# Altium PCB X98_CARRIER_V1R2_12082022.PcbDoc (part 2 of 10) (continued)
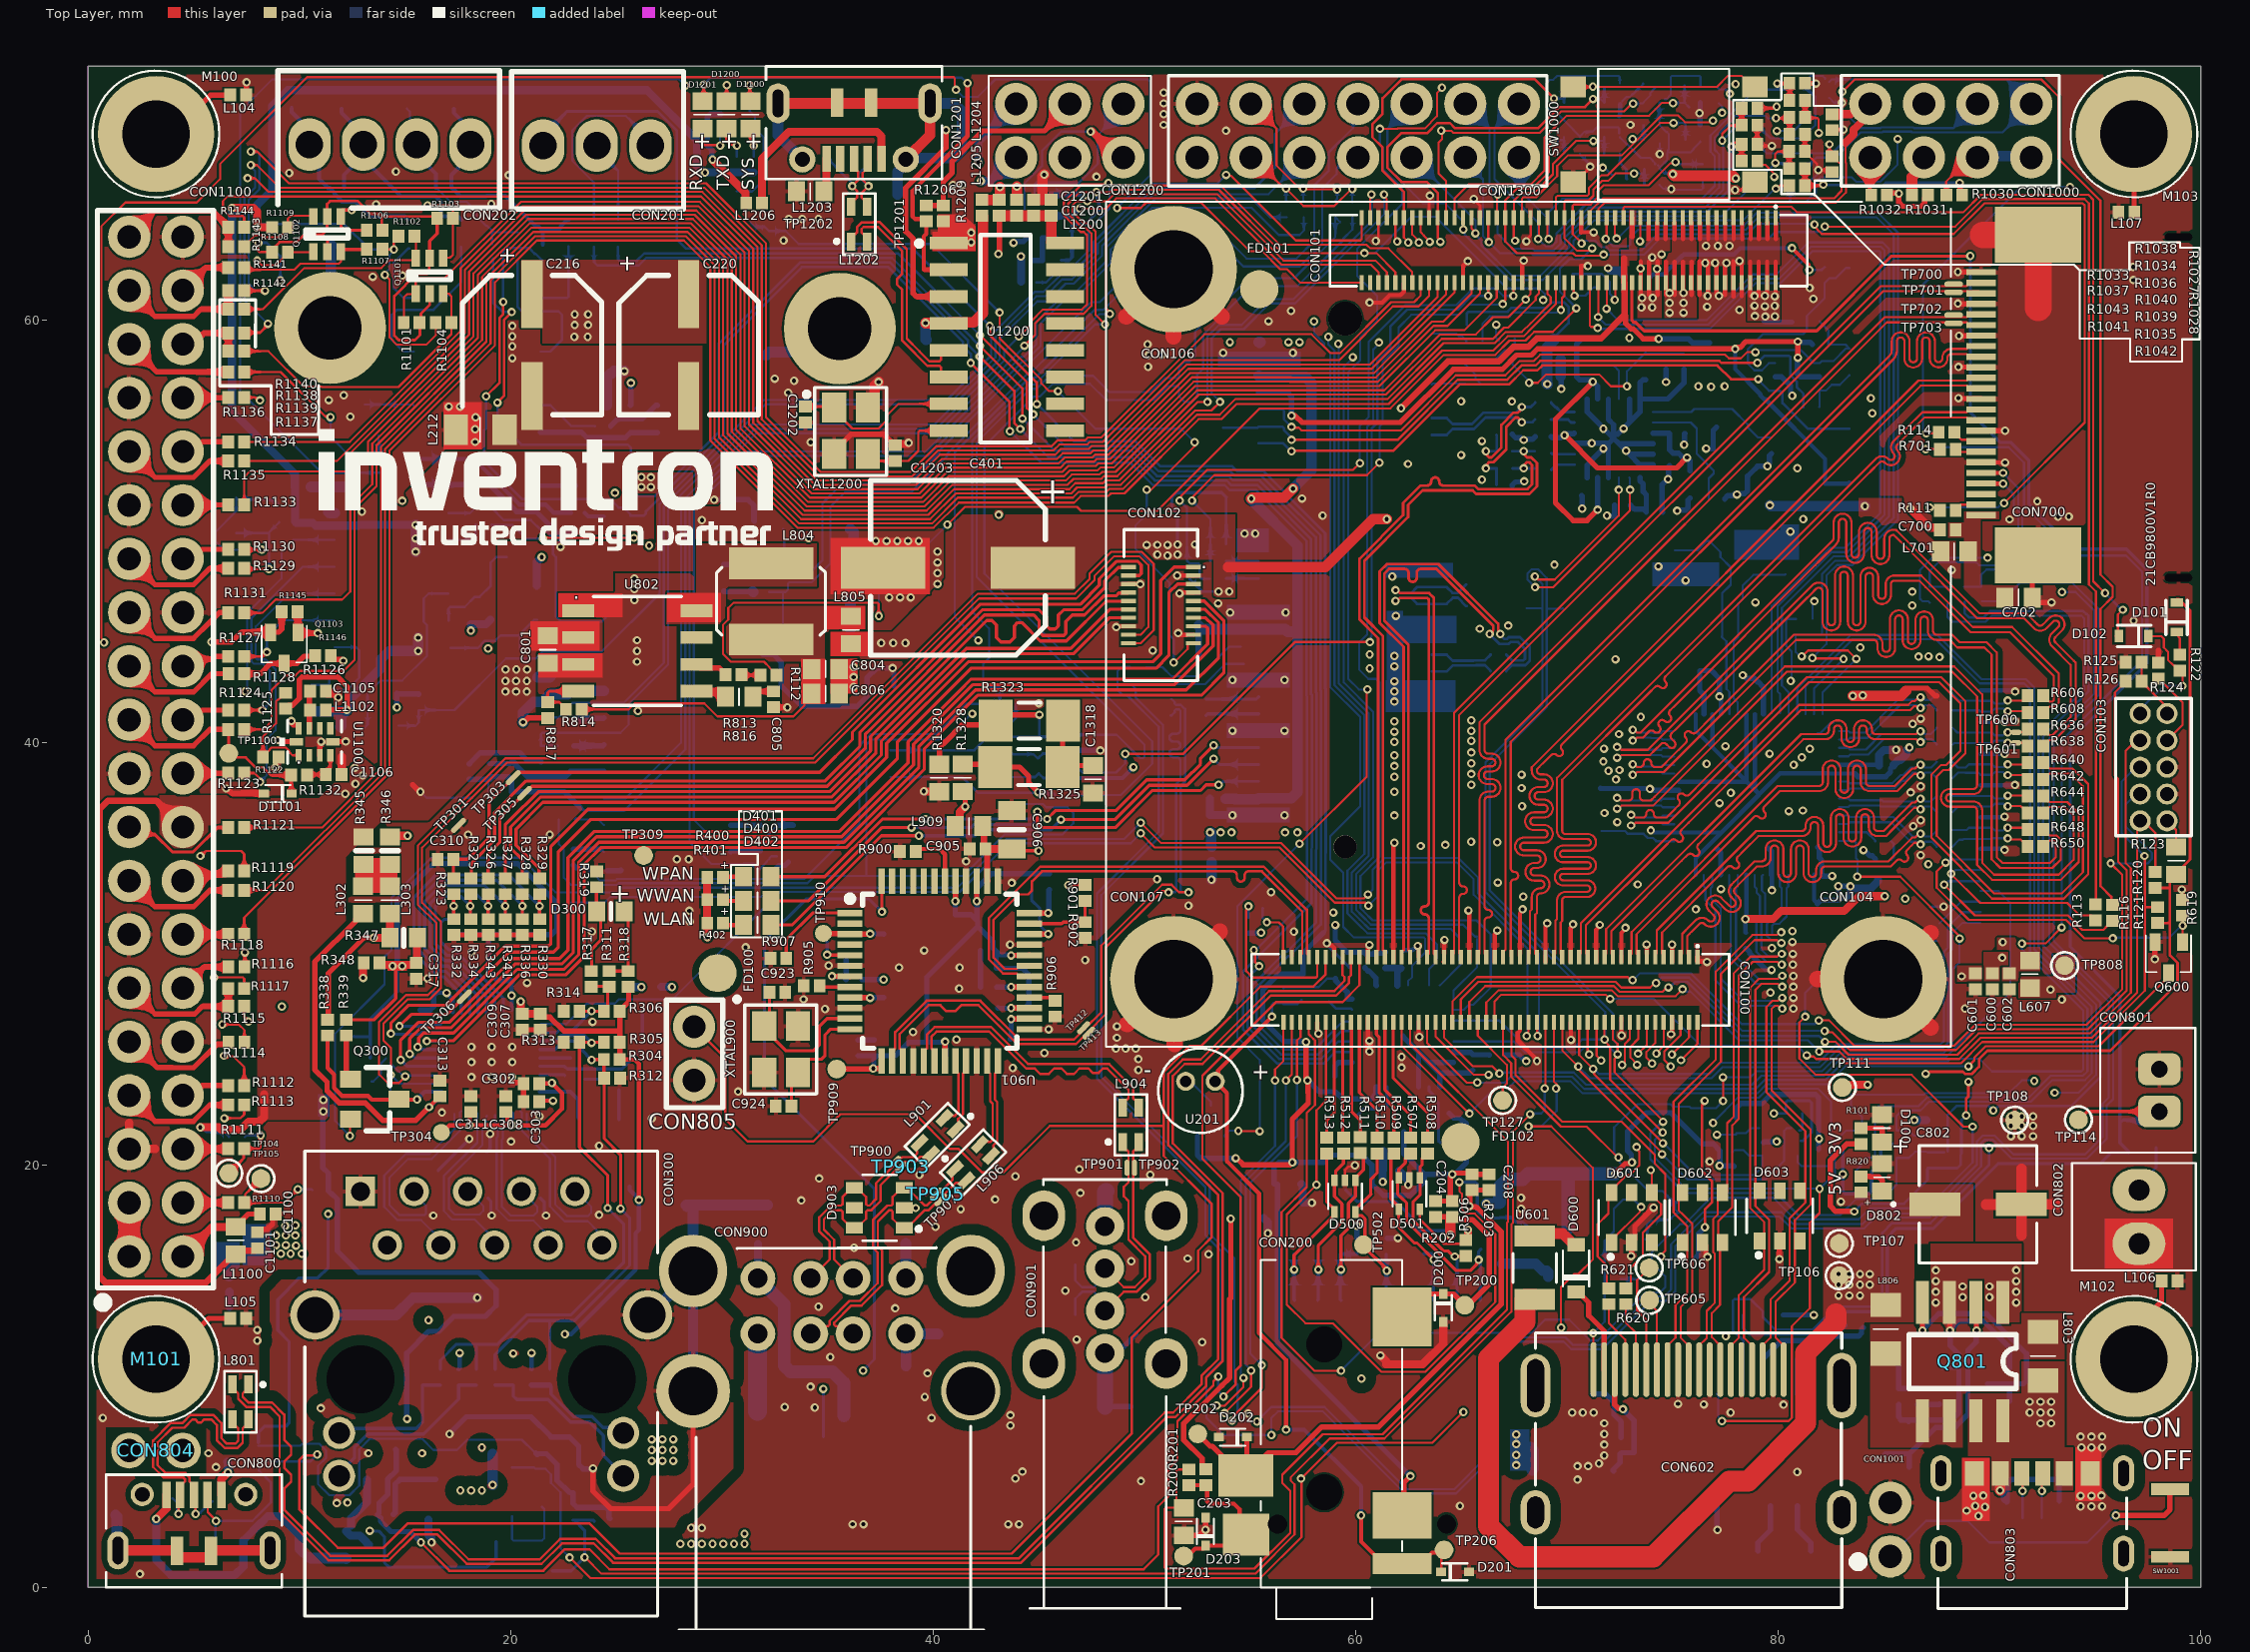
[diagram p0: Top Layer view]
## Components (designator, comment, footprint, x,y, rotation, side; value= is the part's Value field where it differs from the comment) (continued)
U1100 "ADC 12BIT SIGMA-DELTA" IC-TLA2022IRUGR 10.96,40.145 r90 top locked
U1101 "RTC CLOCK" PCF85063AT/AY 78.999,6.516 r180 bottom
U1200 "CH340G" CH340G 43.484,59.865 r0 top locked
U1300 "MCP2518FDT" SOIC-14 14.351,47.045 r270 bottom
U1301 "IC-MCP2562T-E/SN" 8-SOIC/FAN3229 27.282,47.794 r0 bottom
U1302 "IC-ST3232CDR" SO-16 27.412,39.258 r270 bottom locked
U1303 "ST485" 8-SOIC/FAN3229 40.782,38.994 r180 bottom
X300 "25MHZ" XTLOSC4_3P2X2P5MM_SM#1 25.654,24.765 r90 bottom
XTAL400 "XTAL-TSX-3225 25.0000MF10P-C0" XTLOSC4_3P2X2P5MM_SM#2 77.888,53.833 r270 bottom
XTAL600 "XTAL-TSX-3225 25.0000MF10P-C0" XTLOSC4_3P2X2P5MM_SM#2 77.723,48.727 r0 bottom
XTAL900 "CRYSTAL 12.MHZ 18PF SMD" XTLOSC4_3P2X2P5MM_SM#2 32.791,25.476 r270 top
XTAL1100 "32.7680KHZ 7PF" "FC-135 32.768KA-AG0" 80.137,1.753 r0 bottom
XTAL1200 "CRYSTAL 12.MHZ 18PF SMD" XTLOSC4_3P2X2P5MM_SM#2 36.106,54.754 r270 top locked
XTAL1300 "CRYSTAL 20.MHZ 10PF SMD" XTLOSC4_3P2X2P5MM_SM#2 20.139,46.606 r180 bottom

## Footprints (in the part's own frame and the unit in brackets; to place one, negate y for a bottom-side part, rotate by r counter-clockwise, add the part's x,y. Pads: shape width x height; smd on the part's side, far side on the other; paste and mask are expansions set on the pad)
0ZCJ0025AF2E [mil] "PTC RESET FUSE 24V 250MA 1206"
  rect 39x75 smd paste+0 mask+1.97: 1(0,0) 2(118,0)
  silkscreen extent 32,-40 86,41, body extent -7,-36 127,36, height 63
"3.00mm x 2.00mm SWITCH" [mm]
  rect 0.55x1.8 smd: 1(-1.6,0) 2(1.6,0)
  body extent -1.75,-1 1.75,1.08, height 0.55
8-SOIC/FAN3229 [mm]
  rect 1.75x0.65 smd: 1(-2.8,1.905) 2(-2.8,0.635) 3(-2.8,-0.635) 4(-2.8,-1.905) 5(2.8,-1.905) 6(2.8,-0.635) 7(2.8,0.635) 8(2.8,1.905)
  silkscreen extent -1.6,-2.22 1.63,2.28, body extent -3,-2.44 3,2.45, height 1.75
9FGV0241AKLF [mm] "9FGV0241AKLF"
  rect 0.6x0.3 smd mask+0.05: 1(-1.86,1.249) 2(-1.86,0.749) 3(-1.86,0.249) 4(-1.86,-0.251) 5(-1.86,-0.751) 6(-1.86,-1.251) 13(1.86,-1.25) 14(1.86,-0.75) 15(1.86,-0.25) 16(1.86,0.25) 17(1.86,0.75) 18(1.86,1.25)
  rect 0.3x0.6 smd mask+0.05: 7(-1.251,-1.86) 8(-0.751,-1.86) 9(-0.251,-1.86) 10(0.249,-1.86) 11(0.749,-1.86) 12(1.249,-1.86) 19(1.249,1.861) 20(0.749,1.861) 21(0.249,1.861) 22(-0.251,1.861) 23(-0.751,1.861) 24(-1.251,1.861)
  rect 2.55x2.55 smd paste-2.55: 25(0,-0.001)
  silkscreen extent -2.18,-2.18 2.18,2.18
"24-PIN FPC" [mm] "FPC/FFC 0.5MM SMT"
  rect 2.65x4.1 smd mask+0.051: 0(-7.532,2.075) 0(7.659,2.075)
  rect 0.3x1.4 smd mask+0.051: 1(-5.75,-0.624) 2(-5.25,-0.624) 3(-4.75,-0.624) 4(-4.25,-0.624) 5(-3.75,-0.624) 6(-3.25,-0.624) 7(-2.75,-0.624) 8(-2.25,-0.624) 9(-1.75,-0.624) 10(-1.25,-0.624) 11(-0.75,-0.624) 12(-0.25,-0.624) 13(0.25,-0.624) 14(0.75,-0.624) 15(1.25,-0.624) 16(1.75,-0.624) 17(2.25,-0.624) 18(2.75,-0.624) 19(3.25,-0.624) 20(3.75,-0.624) 21(4.25,-0.624) 22(4.75,-0.624) 23(5.25,-0.624) 24(5.75,-0.624)
  body extent -8.75,-1.26 8.75,4.14, height 2.02
115Q-BCA0 [mm]
  rect 1.15x2.35 smd mask+0.051: 0(-0.394,11.875)
  rect 0.6x2 smd mask+0.051: 0(-0.023,3.226) 0(16.178,3.226)
  round 0 hole 0.35 slot 1.3 at 90 deg: 0(0,0) 0(16.129,0)
  rect 1.15x2.5 smd mask+0.051: 0(16.548,14.186)
  rect 1x1.3 smd mask+0.051: 1(11.627,15.583) 2(9.087,15.583) 3(6.547,15.583) 4(4.007,15.583) 5(10.357,15.583) 6(7.817,15.583) 7(5.277,15.583) 8(2.737,15.583) 9(1.467,15.583)
  silkscreen extent 0.21,-1.45 15.67,16.3, body extent -0.59,-1.44 16.7,16.63, height 1.83
0402_CC#1 [mil]
  rect 22x24 smd mask+2: 1(-14.54,-0.81) 2(14.98,-0.81)
  body extent -20,-10 20,10, height 21
0402_CC#2 [mil]
  rect 22x24 smd mask+2: 1(-14.76,0) 2(14.76,0)
  body extent -20,-10 20,10, height 21
0402_CC#3 [mil]
  rect 22x24 smd mask+2: 1(-14.54,0.81) 2(14.98,0.81)
  body extent -20,-10 20,10, height 21
0402_RES#1 [mil]
  rect 22x24 smd mask+2: 1(-14.54,-0.81) 2(14.98,-0.81)
  body extent -19,-11 20,9, height 14
0402_RES#2 [mil]
  rect 22x24 smd mask+2: 1(-14.76,0) 2(14.76,0)
  body extent -20,-10 20,10, height 14
0402_RES#3 [mil]
  rect 22x24 smd mask+2: 1(-14.54,0.81) 2(14.98,0.81)
  body extent -19,-9 20,11, height 14
0603_CC [mil]
  rect 32x37 smd: 1(-25.9,0.1) 2(25.28,0.1)
  silkscreen extent 0,-15 0,16, body extent -39,-15 39,16, height 31
0603_LED#1 [mil]
  rect 32x37 smd: 1(-25.9,0.1) 2(25.28,0.1)
  silkscreen extent 0,-15 0,16, body extent -33,-18 33,18, height 35
0603_LED#2 [mil]
  rect 32x37 smd mask+2: 1(-25.9,0.1) 2(25.28,0.1)
  silkscreen extent -1,-15 -1,16, body extent -33,-18 33,18, height 35
0603_RES#1 [mil]
  rect 32x37 smd: 1(-25.9,0.1) 2(25.28,0.1)
  silkscreen extent 0,-15 0,16, body extent -31,-16 32,16, height 18
0603_RES#2 [mil]
  rect 32x37 smd: 1(-25.9,-0.1) 2(25.28,-0.1)
  silkscreen extent 0,-16 0,15, body extent -31,-16 32,16, height 18
0603_RES#3 [mil]
  rect 32x37 smd mask+2: 1(-25.59,0) 2(25.59,0)
  silkscreen extent 0,-15 0,16, body extent -31,-16 32,16, height 18
0805#1 [mm] "Chip 0805, 2-Leads, Body 2.0 x 1.25mm"
  rect 0.9x1.3 smd mask+0.051: 1(-0.9,0) 2(0.9,0)
  silkscreen extent 0,-0.58 0,0.58, body extent -1,-0.62 1,0.63, height 0.6
0805#2 [mm] "Chip 0805, 2-Leads, Body 2.0 x 1.25mm"
  rect 1.15x1.45 smd mask+0.025: 1(-1.15,0) 2(1.15,0)
  silkscreen extent 0,-0.58 0,0.58, body extent -1.25,-0.62 1.25,0.62, height 0.79
1206 [mm] "Chip 1206, 2-Leads, Body 3.2 x 1.6mm"
  rect 1.6x2 smd mask+0.025: 1(-1.6,0) 2(1.6,0)
  silkscreen extent -0.5,-0.85 0.5,0.85, body extent -2,-0.8 2,0.8, height 1.53
1812 [mil] "Chip 1812, 2-Leads, Body 4.2 x 2.5mm"
  rect 60x141.73 smd: 1(-92.5,0) 2(92.5,0)
  silkscreen extent -142,-85 142,85, body extent -94,-69 92,68
2016 [mm]
  rect 0.8x1.8 smd mask+0.051: 1(-0.8,0) 2(0.8,0)
  silkscreen extent -0.2,-0.76 0.2,0.76, body extent -1,-0.8 1,0.8, height 1.04
640456-2 [mm]
  oval 2x2.5 hole 1: 1(0,0) 2(2.54,0)
  silkscreen extent -1.27,-2.69 3.81,3.18, body extent -1.3,-2.69 3.78,3.15, height 9.99
9774030151R#1 [mm]
  round 6 / inner round 6 / far side round 4 hole 3.7 mask+0: 0(0,0)
  body extent -2.55,-2.55 2.55,2.55, height 3
9774030151R#2 [mm]
  round 6 / inner round 6 / far side round 3.8 hole 3.7 mask+0: 0(0,0)
  body extent -2.55,-2.55 2.55,2.55, height 3
9774030151R#3 [mm]
  round 6 / inner round 6 / far side oval 5x4.7 hole 3.7 mask+0: 0(0,0)
  body extent -2.55,-2.55 2.55,2.55, height 3
9774045243R [mm]
  round 5.3 hole 3 mask+0: 1(0,0)
  body extent -2.17,-2.17 2.17,2.17, height 4.5
B2B-PH-K-S [mm] "2MM 2POS VERT JST"
  rrect50% 1.5x2 hole 0.8 mask+0.051: 1(0,0) 2(2,0)
  silkscreen extent -1.95,-1.7 3.95,2.8, body extent -1.92,-1.68 3.98,2.82, height 6.2
"BUTTON 6X6" [mm]
  rect 1.2x1 smd mask+0.051: 1(0,0) 2(8.6,0) 3(0,-4.5) 4(8.6,-4.5)
  silkscreen extent 1.22,-5.35 7.42,0.85, body extent -0.18,-5.27 8.82,0.73, height 4.3
"CAP ALUM 6.6X6.6X5.4" [mm]
  rect 3.2x1 smd: 1(2.413,0) 2(-2.413,0)
  silkscreen extent -3.3,-3.3 3.3,3.3, body extent -3.62,-3.3 3.68,3.3, height 5.9
"CAP-8.3mm x 8.3mm" [mm]
  rect 4x2 smd: 1(3.55,0) 2(-3.55,0)
  silkscreen extent -4.14,-4.14 4.14,4.14, body extent -5,-4.14 4.9,4.16, height 10.2
CH340G [mm]
  rect 1.8x0.6 smd: 1(-2.752,3.779) 2(-2.752,2.509) 3(-2.752,1.239) 4(-2.752,-0.031) 5(-2.752,-1.301) 6(-2.752,-2.571) 7(-2.752,-3.841) 8(-2.752,-5.111) 9(2.748,-5.111) 10(2.748,-3.841) 11(2.748,-2.571) 12(2.748,-1.301) 13(2.748,-0.031) 14(2.748,1.239) 15(2.748,2.509) 16(2.748,3.779)
  silkscreen extent -4.28,-5.67 1.12,4.15, body extent -2.3,-5.62 2.17,4.28, height 1.75
"CMEJ-0415-42-P CON" [mm] "CMEJ-0415-42-P"
  round 0.9 hole 0.55: N(0.446,-0.069) P(-0.954,-0.069)
  silkscreen extent -2.25,-1.62 1.74,2.38, body extent -2.25,-1.65 1.75,2.35, height 1.76
CON-DS1095-01 [mm]
  round 1.8 hole 0.92: 1(0,0) 2(2,0) 3(4,0) 4(6,0)
  oval 2.4x2 hole 1.35: G1(-0.5,-2.9) G2(6.5,-2.9) G3(6.5,2.9) G4(-0.5,2.9)
  silkscreen extent -12.09,-3.56 8.21,3.56, body extent -12.06,-3.68 7.14,3.51, height 14.96
CON-L-KLS1-285-1-N-1 [mm]
  oval 0.28x2.6 smd: 1(11.75,0.759) 2(11.25,0.759) 3(10.75,0.759) 4(10.25,0.759) 5(9.75,0.759) 6(9.25,0.759) 7(8.75,0.759) 8(8.25,0.759) 9(7.75,0.759) 10(7.25,0.759) 11(6.75,0.759) 12(6.25,0.759) 13(5.75,0.759) 14(5.25,0.759) 15(4.75,0.759) 16(4.25,0.759) 17(3.75,0.759) 18(3.25,0.759) 19(2.75,0.759)
  oval 1.4x3 hole 0.8 slot 2.5 at 90 deg: G1(0,0)
  oval 1.4x2.1 hole 0.8 slot 1.5 at 90 deg: G2(0,-6) G3(14.5,-6)
  oval 1.4x3.1 hole 0.8 slot 2.5 at 90 deg: G4(14.5,0)
  silkscreen extent 0,-10.5 14.5,2.5, body extent -0.24,-10.47 14.76,1.68, height 6.28
CON-SFV30R-2STBE1HLF [mm]
  rect 2.5x4.1 smd mask+0.051: 0(-2.136,-2.66) 0(16.636,-2.66)
  rect 0.3x1.4 smd mask+0.05: 1(-0.003,-0.001) 2(0.5,0) 3(1,0) 4(1.5,0) 5(2,0) 6(2.5,0) 7(3,0) 8(3.5,0) 9(4,0) 10(4.5,0) 11(5,0) 12(5.5,0) 13(6,0) 14(6.5,0) 15(7,0) 16(7.5,0) 17(8,0) 18(8.5,0) 19(9,0) 20(9.5,0) 21(10,0) 22(10.5,0) 23(11,0) 24(11.5,0) 25(12,0) 26(12.5,0) 27(13,0) 28(13.5,0) 29(14,0) 30(14.5,0)
  silkscreen extent -3.5,-6.78 17.98,-5, body extent -3,-4.45 17.5,0.45, height 1.92
CUI_UJC-HP-3-SMT-TR [mm]
  rect 0.7x1.15 smd: A5(-0.5,1.903) B5(0.5,1.903)
  rect 0.8x1.15 smd: A9(1.52,1.903) B9(-1.52,1.903)
  rect 0.9x1.15 smd: A12(2.75,1.903) B12(-2.75,1.903)
  oval 1x1.7 hole 0.5 slot 1.2 at 90 deg mask+0.051: S1(-4.32,1.903) S2(4.32,1.903) S3(-4.32,-1.903) S4(4.32,-1.897)
  silkscreen extent -4.47,-4.5 4.47,0.73, body extent -4.47,-4.32 4.47,2.58, height 3.25
DF5A6.2LJE,LM [mm]
  rect 0.55x0.3 smd mask+0.051: 1(-0.75,0.5) 2(-0.75,0) 3(-0.75,-0.5) 4(0.75,-0.5) 5(0.75,0.5)
  silkscreen extent -0.6,-0.8 0.6,0.8, body extent -0.8,-0.79 0.8,0.81, height 0.45
DF40C-20DS-0.4V(51) [mil]
  rect 28x8 smd mask+2: 1(-60.63,-70.87) 2(60.63,-70.87) 3(-60.63,-55.12) 4(60.63,-55.12) 5(-60.63,-39.37) 6(60.63,-39.37) 7(-60.63,-23.62) 8(60.63,-23.62) 9(-60.63,-7.87) 10(60.63,-7.87) 11(-60.63,7.87) 12(60.63,7.87) 13(-60.63,23.62) 14(60.63,23.62) 15(-60.63,39.37) 16(60.63,39.37) 17(-60.63,55.12) 18(60.63,55.12) 19(-60.63,70.87) 20(60.63,70.87)
  silkscreen extent -69,-141 69,141, body extent -69,-130 64,130, height 56
"DF40C-100DS- FEMALE" [mm]
  rect 0.2x0.7 smd mask+0.025: 1(-9.8,-1.54) 2(-9.8,1.54) 3(-9.4,-1.54) 4(-9.4,1.54) 5(-9,-1.54) 6(-9,1.54) 7(-8.6,-1.54) 8(-8.6,1.54) 9(-8.2,-1.54) 10(-8.2,1.54) 11(-7.8,-1.54) 12(-7.8,1.54) 13(-7.4,-1.54) 14(-7.4,1.54) 15(-7,-1.54) 16(-7,1.54) 17(-6.6,-1.54) 18(-6.6,1.54) 19(-6.2,-1.54) 20(-6.2,1.54) 21(-5.8,-1.54) 22(-5.8,1.54) 23(-5.4,-1.54) 24(-5.4,1.54) 25(-5,-1.54) 26(-5,1.54) 27(-4.6,-1.54) 28(-4.6,1.54) 29(-4.2,-1.54) 30(-4.2,1.54) 31(-3.8,-1.54) 32(-3.8,1.54) 33(-3.4,-1.54) 34(-3.4,1.54) 35(-3,-1.54) 36(-3,1.54) 37(-2.6,-1.54) 38(-2.6,1.54) 39(-2.2,-1.54) 40(-2.2,1.54) 41(-1.8,-1.54) 42(-1.8,1.54) 43(-1.4,-1.54) 44(-1.4,1.54) 45(-1,-1.54) 46(-1,1.54) 47(-0.6,-1.54) 48(-0.6,1.54) 49(-0.2,-1.54) 50(-0.2,1.54) 51(0.2,-1.54) 52(0.2,1.54) 53(0.6,-1.54) 54(0.6,1.54) 55(1,-1.54) 56(1,1.54) 57(1.4,-1.54) 58(1.4,1.54) 59(1.8,-1.54) 60(1.8,1.54) 61(2.2,-1.54) 62(2.2,1.54) 63(2.6,-1.54) 64(2.6,1.54) 65(3,-1.54) 66(3,1.54) 67(3.4,-1.54) 68(3.4,1.54) 69(3.8,-1.54) 70(3.8,1.54) 71(4.2,-1.54) 72(4.2,1.54) 73(4.6,-1.54) 74(4.6,1.54) 75(5,-1.54) 76(5,1.54) 77(5.4,-1.54) 78(5.4,1.54) 79(5.8,-1.54) 80(5.8,1.54) 81(6.2,-1.54) 82(6.2,1.54) 83(6.6,-1.54) 84(6.6,1.54) 85(7,-1.54) 86(7,1.54) 87(7.4,-1.54) 88(7.4,1.54) 89(7.8,-1.54) 90(7.8,1.54) 91(8.2,-1.54) 92(8.2,1.54) 93(8.6,-1.54) 94(8.6,1.54) 95(9,-1.54) 96(9,1.54) 97(9.4,-1.54) 98(9.4,1.54) 99(9.8,-1.54) 100(9.8,1.54)
  Top Layer pour cut-out: -9.906,1.194 -9.906,1.193 -9.906,0.75 9.906,0.75 9.906,0.75 9.906,1.194
  Top Layer pour cut-out: 9.906,-1.194 9.906,-1.193 9.906,-0.75 -9.906,-0.75 -9.906,-0.75 -9.906,-1.194
  silkscreen extent -11.3,-2.11 11.3,1.7, body extent -11.3,-1.68 11.3,1.7, height 1.44
DIODE-DT1042-04SOQ-7 [mm]
  rrect0% 0.55x0.8 smd mask+0.05: 1(-1.143,-1.143) 2(-0.193,-1.143) 3(0.757,-1.143) 4(0.757,1.227) 5(-0.193,1.227) 6(-1.143,1.227)
  silkscreen extent -1.76,-1.92 1.37,0.84, body extent -1.74,-1.11 1.36,1.39, height 1.3
DLW21H [mm]
  rect 0.85x0.4 smd: 1(-0.826,0.381) 2(0.826,0.381) 3(0.826,-0.381) 4(-0.826,-0.381)
  silkscreen extent -1.45,-0.76 1.45,1.12, body extent -1.27,-0.76 1.27,0.76, height 1
"FC-135 32.768KA-AG0" [mm] "CRYSTAL 32.7680KHZ 7PF SMD"
  rect 1x1.8 smd mask+0.05: 1(-1.25,0) 2(1.25,0)
  silkscreen extent -1.9,-1.02 1.91,1.02
FD [mm] "Fiducial Diameter 20 mil"
  round 1.8 smd paste-1.8 mask+0: FD-1(0,0)
  Top Layer pour cut-out: 0,1.194 -0.457,1.103 -0.844,0.844 -1.103,0.457 -1.194,0 -1.194,0 -1.103,-0.457 -0.844,-0.844 -0.457,-1.103 0,-1.194 0,-1.194 0.457,-1.103 0.844,-0.844 1.103,-0.457 1.194,0 1.194,0 1.103,0.457 0.844,0.844 0.457,1.103 0,1.194
"HEADER 1X2 2.54mm" [mm]
  round 2 hole 1.1: 1(-2.54,0) 2(0,0)
  silkscreen extent -2.99,1.32 -2.59,1.72, body extent -3.78,-1.27 1.3,1.27, height 2.04
"HEADER 2 PIN 2.54"#1 [mm]
  round 1.7 hole 1.1: 1(-1.245,0) 2(1.295,0)
"HEADER 2 PIN 2.54"#2 [mm]
  round 2 hole 1.1: 1(-1.245,0) 2(1.295,0)
  silkscreen extent -2.5,-1.31 2.59,1.35, body extent -2.49,-1.27 2.59,1.27, height 2.04
"HEADER 2.54 2X7" [mm]
  round 2 hole 1.1: 1(0,-2.54) 2(0,0) 3(2.54,-2.54) 4(2.54,0) 5(5.08,-2.54) 6(5.08,0) 7(7.62,-2.54) 8(7.62,0) 9(10.16,-2.54) 10(10.16,0) 11(12.7,-2.54) 12(12.7,0) 13(15.24,-2.54) 14(15.24,0)
  silkscreen extent -1.33,-3.87 16.59,1.35, body extent -1.24,-3.81 16.51,1.3, height 2.04
"HEADER 2.54 X 3X2" [mm]
  round 2 hole 1.1: 1(0,-2.54) 2(0,0) 3(2.54,-2.54) 4(2.54,0) 5(5.08,-2.54) 6(5.08,0)
  silkscreen extent -1.3,-3.86 6.37,1.33, body extent -1.24,-3.81 6.31,1.27, height 2.04
"HEADER 2.54 X 4X2" [mm]
  round 2 hole 1.1: 1(0,0) 2(0,2.54) 3(2.54,0) 4(2.54,2.54) 5(5.08,0) 6(5.08,2.54) 7(7.62,0) 8(7.62,2.54)
  silkscreen extent -1.33,-1.35 8.99,3.89, body extent -1.24,-1.27 8.92,3.81, height 2.04
"HEADER 2.54MM X 2X20" [mm]
  round 2 hole 1.1: 1(0,0) 2(0,-2.54) 3(2.54,0) 4(2.54,-2.54) 5(5.08,0) 6(5.08,-2.54) 7(7.62,0) 8(7.62,-2.54) 9(10.16,0) 10(10.16,-2.54) 11(12.7,0) 12(12.7,-2.54) 13(15.24,0) 14(15.24,-2.54) 15(17.78,0) 16(17.78,-2.54) 17(20.32,0) 18(20.32,-2.54) 19(22.86,0) 20(22.86,-2.54) 21(25.4,0) 22(25.4,-2.54) 23(27.94,0) 24(27.94,-2.54) 25(30.48,0) 26(30.48,-2.54) 27(33.02,0) 28(33.02,-2.54) 29(35.56,0) 30(35.56,-2.54) 31(38.1,0) 32(38.1,-2.54) 33(40.64,0) 34(40.64,-2.54) 35(43.18,0) 36(43.18,-2.54) 37(45.72,0) 38(45.72,-2.54) 39(48.26,0) 40(48.26,-2.54)
  silkscreen extent -2.38,-4 49.5,1.5, body extent -1.27,-3.82 49.53,1.26, height 2.04
"HEADER 2X5 1.27MM THD" [mm]
  round 1 hole 0.65: 1(0,0) 2(0,-1.27) 3(1.27,0) 4(1.27,-1.27) 5(2.54,0) 6(2.54,-1.27) 7(3.81,0) 8(3.81,-1.27) 9(5.08,0) 10(5.08,-1.27)
  silkscreen extent -0.71,-2.42 5.8,1.16, body extent -0.63,-2.35 5.72,1.1, height 4
HR851178C [mil]
  rect 55x55 / inner round 55 / far side rect 55x55 hole 35: 1(39.57,529.92)
  round 55 hole 35: 2(89.57,429.92) 3(139.57,529.92) 4(189.57,429.92) 5(239.57,529.92) 6(289.57,429.92) 7(339.57,529.92) 8(389.57,429.92) 9(439.57,529.92) 10(489.57,429.92)
  round 60 hole 40: 11(0,79.92) 12(0,0) 13(529.53,79.92) 14(529.53,0)
  round 92 hole 67 mask+3: 15(574.81,300)
  round 92 hole 67: 16(-45.27,300)
  round 10 hole 126 unplated: ""(39.77,179.92) ""(489.77,179.92)
  silkscreen extent -64,-261 594,605, body extent -86,-245 626,607, height 533
IC-LT8912B [mm]
  oval 0.2x1 smd mask+0: 1(3,3.8) 2(2.6,3.8) 3(2.2,3.8) 4(1.8,3.8) 5(1.4,3.8) 6(1,3.8) 7(0.6,3.8) 8(0.2,3.8) 9(-0.2,3.8) 10(-0.6,3.8) 11(-1,3.8) 12(-1.4,3.8) 13(-1.8,3.8) 14(-2.2,3.8) 15(-2.6,3.8) 16(-3,3.8) 33(-3,-3.8) 34(-2.6,-3.8) 35(-2.2,-3.8) 36(-1.8,-3.8) 37(-1.4,-3.8) 38(-1,-3.8) 39(-0.6,-3.8) 40(-0.2,-3.8) 41(0.2,-3.8) 42(0.6,-3.8) 43(1,-3.8) 44(1.4,-3.8) 45(1.8,-3.8) 46(2.2,-3.8) 47(2.6,-3.8) 48(3,-3.8)
  oval 1x0.2 smd mask+0: 17(-3.8,3) 18(-3.8,2.6) 19(-3.8,2.2) 20(-3.8,1.8) 21(-3.8,1.4) 22(-3.8,1) 23(-3.8,0.6) 24(-3.8,0.2) 25(-3.8,-0.2) 26(-3.8,-0.6) 27(-3.8,-1) 28(-3.8,-1.4) 29(-3.8,-1.8) 30(-3.8,-2.2) 31(-3.8,-2.6) 32(-3.8,-3) 49(3.8,-3) 50(3.8,-2.6) 51(3.8,-2.2) 52(3.8,-1.8) 53(3.8,-1.4) 54(3.8,-1) 55(3.8,-0.6) 56(3.8,-0.2) 57(3.8,0.2) 58(3.8,0.6) 59(3.8,1) 60(3.8,1.4) 61(3.8,1.8) 62(3.8,2.2) 63(3.8,2.6) 64(3.8,3)
  rrect5% 6x6 smd paste-6 mask+0: 65(0,0)
  silkscreen extent -3.8,-3.8 3.8,4.36, body extent -3.75,-3.75 3.75,3.75, height 0.8
IC-NCP3170ADR2G [mm]
  rect 1.52x0.6 smd paste+0 mask+0.05: 1(-2.294,1.651) 2(-2.294,0.381) 3(-2.294,-0.889) 4(-2.294,-2.159) 5(3.31,-2.159) 6(3.31,-0.889) 7(3.31,0.381) 8(3.31,1.651)
  silkscreen extent -1.57,-2.83 2.59,2.32, body extent -2.46,-2.7 3.73,2.2, height 1.76
IC-STMPS2151STR(ERDEM) [mm]
  rect 0.6x1.2 smd paste+0 mask+0.05: 1(0.95,0.991) 2(0,0.991) 3(-0.95,0.991) 4(-0.95,-1.309) 5(0.95,-1.309)
  silkscreen extent -1.63,-1.26 1.63,0.75, body extent -1.5,-1.75 1.5,1.24, height 1.45
IC-TLA2022IRUGR [mm]
  rect 0.58x0.3 smd paste-0.15 mask+0: 1(-0.754,1.004) 4(-0.754,-0.496) 6(0.516,-0.496) 9(0.516,1.004)
  rect 0.58x0.25 smd mask+0: 2(-0.754,0.504) 3(-0.754,0.004) 7(0.516,0.004) 8(0.516,0.504)
  rect 0.35x0.63 smd mask+0: 5(-0.119,-0.606) 10(-0.119,1.114)
  silkscreen extent -1.15,-1.02 0.91,1.91, body extent -0.87,-0.75 0.63,1.25, height 0.4
IND-NRS5030T2R2NMGJ [mil]
  rect 59x157 smd paste+0 mask+1.97: 1(-70.87,-5) 2(70.87,-5)
  silkscreen extent -63,-107 63,97, body extent -96,-101 96,91, height 157
KLS1-238-0-0-0-R#1 [mm] "MICRO USB TYPE B"
  rect 0.4x1.25 smd: 1(-1.15,0.025) 2(-1.8,0.025) 3(-2.45,0.025) 4(-3.1,0.025) 5(-3.75,0.025)
  round 1.1 hole 0.7: G1(0,0) G2(-4.9,0)
  rect 0.6x1.35 smd: G3(-1.65,2.675) G4(-3.25,2.675)
  oval 1x1.8 hole 0.5 slot 1.3 at 90 deg: G5(1.15,2.65) G6(-6.05,2.65)
  silkscreen extent -6.62,-0.93 1.72,4.4, body extent -6.8,-0.29 1.85,5.6, height 2.84
KLS1-238-0-0-0-R#2 [mm] "MICRO USB TYPE B"
  rect 0.4x1.25 smd: 1(-1.15,0.025) 2(-1.8,0.025) 3(-2.45,0.025) 4(-3.1,0.025) 5(-3.75,0.025)
  round 1.25 hole 0.7: G1(0,0) G2(-4.9,0)
  rect 0.6x1.35 smd: G3(-1.65,2.675) G4(-3.25,2.675)
  oval 1.1x1.9 hole 0.5 slot 1.3 at 90 deg: G5(1.15,2.65) G6(-6.05,2.65)
  silkscreen extent -6.62,-0.93 1.72,4.4, body extent -6.8,-0.29 1.85,5.6, height 2.84
L-KLS1-TF-003-H1.85-R [mm]
  rect 1.6x1.4 smd mask+0.051: 0(-11.05,9.9) 0(3.8,10)
  rect 1x2.2 smd mask+0.051: 0(-10.8,0.4)
  round 0 hole 0.9: 0(-8,0) 0(0,0)
  rect 1.2x2.2 smd mask+0.051: 0(4.7,0.4)
  rect 0.7x1.4 smd mask+0.051: 1(-0.799,10.6) 2(-1.899,10.6) 3(-2.999,10.6) 4(-4.099,10.6) 5(-5.199,10.6) 6(-6.299,10.6) 7(-7.399,10.6) 8(-8.499,10.6) 9(-9.599,10.6)
  silkscreen extent -11.13,-4.6 5.03,9, body extent -11.05,-4.02 4.95,11.23, height 1.95
LQFP48 [mm]
  rect 0.3x1.2 smd mask+0.051: 1(-2.75,-4.25) 2(-2.25,-4.25) 3(-1.75,-4.25) 4(-1.25,-4.25) 5(-0.75,-4.25) 6(-0.25,-4.25) 7(0.25,-4.25) 8(0.75,-4.25) 9(1.25,-4.25) 10(1.75,-4.25) 11(2.25,-4.25) 12(2.75,-4.25) 25(2.75,4.25) 26(2.25,4.25) 27(1.75,4.25) 28(1.25,4.25) 29(0.75,4.25) 30(0.25,4.25) 31(-0.25,4.25) 32(-0.75,4.25) 33(-1.25,4.25) 34(-1.75,4.25) 35(-2.25,4.25) 36(-2.75,4.25)
  rect 1.2x0.3 smd mask+0.051: 13(4.25,-2.75) 14(4.25,-2.25) 15(4.25,-1.75) 16(4.25,-1.25) 17(4.25,-0.75) 18(4.25,-0.25) 19(4.25,0.25) 20(4.25,0.75) 21(4.25,1.25) 22(4.25,1.75) 23(4.25,2.25) 24(4.25,2.75) 37(-4.25,2.75) 38(-4.25,2.25) 39(-4.25,1.75) 40(-4.25,1.25) 41(-4.25,0.75) 42(-4.25,0.25) 43(-4.25,-0.25) 44(-4.25,-0.75) 45(-4.25,-1.25) 46(-4.25,-1.75) 47(-4.25,-2.25) 48(-4.25,-2.75)
  silkscreen extent -3.65,-4.36 3.65,3.65, body extent -4.5,-4.5 4.5,4.5
M3 [mm]
  round 5.5 hole 3.2 mask+0.051: 0(0,0)
  silkscreen extent -3,-3 3,3
OSTVN03A150 [mm] "OSTVN04A150"
  oval 2x2.5 hole 1.3: 1(0,0) 2(2.54,0) 3(5.08,0)
  silkscreen extent -1.5,-3 6.65,3.5, body extent -1.47,-3.07 6.55,3.43, height 8.5
OSTVN04A150 [mm] "OSTVN04A150"
  oval 2x2.5 hole 1.3: 1(7.62,0) 2(5.08,0) 3(2.54,0) 4(0,0)
  silkscreen extent -1.5,-3 9,3.5, body extent -1.58,-3.1 8.98,3.4, height 8.75
PCF85063AT/AY [mm] "SO8"
  rect 0.6x1.3 smd mask+0.06: 1(-1.905,-2.65) 2(-0.635,-2.65) 3(0.635,-2.65) 4(1.905,-2.65) 5(1.905,2.65) 6(0.635,2.65) 7(-0.635,2.65) 8(-1.905,2.65)
  silkscreen extent -2.75,-3.5 2.75,3.5, body extent -2.5,-3.1 2.5,3.1, height 1.95
"PCIE MINI 52POS (2SCREW)" [mm]
  round 1.6 hole 1.6 mask+0: 0(-0.7,4.1)
  round 1.1 hole 1.1 mask+0: 0(24.3,4.1)
  rect 0.6x2 smd mask+0.051: 1(0,0) 2(0.4,8.2) 3(0.8,0) 4(1.2,8.2) 5(1.6,0) 6(2,8.2) 7(2.4,0) 8(2.8,8.2) 9(3.2,0) 10(3.6,8.2) 11(4,0) 12(4.4,8.2) 13(4.8,0) 14(5.2,8.2) 15(5.6,0) 16(6,8.2) 17(9.6,0) 18(10,8.2) 19(10.4,0) 20(10.8,8.2) 21(11.2,0) 22(11.6,8.2) 23(12,0) 24(12.4,8.2) 25(12.8,0) 26(13.2,8.2) 27(13.6,0) 28(14,8.2) 29(14.4,0) 30(14.8,8.2) 31(15.2,0) 32(15.6,8.2) 33(16,0) 34(16.4,8.2) 35(16.8,0) 36(17.2,8.2) 37(17.6,0) 38(18,8.2) 39(18.4,0) 40(18.8,8.2) 41(19.2,0) 42(19.6,8.2) 43(20,0) 44(20.4,8.2) 45(20.8,0) 46(21.2,8.2) 47(21.6,0) 48(22,8.2) 49(22.4,0) 50(22.8,8.2) 51(23.2,0) 52(23.6,8.2)
  rect 2.3x3.2 smd mask+0.051: M1(-2.85,0.6) M2(26.45,0.6)
  silkscreen extent -3.2,-0.89 26.8,55.05, body extent -3.2,-0.64 26.7,8.61, height 6.85
QFN32 [mm]
  rect 3.45x3.45 smd paste-3.45 mask+0.051: 0(0,0)
  rect 0.3x0.7 smd mask+0.025: 1(-1.75,-2.4) 8(1.75,-2.4) 17(1.75,2.4) 24(-1.75,2.4)
  rect 0.3x0.7 smd mask+0.051: 2(-1.25,-2.4) 3(-0.75,-2.4) 4(-0.25,-2.4) 5(0.25,-2.4) 6(0.75,-2.4) 7(1.25,-2.4) 18(1.25,2.4) 19(0.75,2.4) 20(0.25,2.4) 21(-0.25,2.4) 22(-0.75,2.4) 23(-1.25,2.4)
  rect 0.7x0.3 smd mask+0.025: 9(2.4,-1.75) 16(2.4,1.75) 25(-2.4,1.75) 32(-2.4,-1.75)
  rect 0.7x0.3 smd mask+0.051: 10(2.4,-1.25) 11(2.4,-0.75) 12(2.4,-0.25) 13(2.4,0.25) 14(2.4,0.75) 15(2.4,1.25) 26(-2.4,1.25) 27(-2.4,0.75) 28(-2.4,0.25) 29(-2.4,-0.25) 30(-2.4,-0.75) 31(-2.4,-1.25)
  silkscreen extent -2.81,-2.78 2.5,2.5, body extent -2.49,-2.51 2.51,2.49, height 0.9
Quad40 [mm]
  rect 0.65x0.25 smd mask+0.025: 1(-2.375,1.8) 2(-2.325,1.4) 3(-2.325,1) 4(-2.325,0.6) 5(-2.325,0.2) 6(-2.325,-0.2) 7(-2.325,-0.6) 8(-2.325,-1) 9(-2.325,-1.4) 10(-2.375,-1.8) 21(2.375,-1.8) 22(2.325,-1.4) 23(2.325,-1) 24(2.325,-0.6) 25(2.325,-0.2) 26(2.325,0.2) 27(2.325,0.6) 28(2.325,1) 29(2.325,1.4) 30(2.375,1.8)
  rect 0.25x0.65 smd mask+0.025: 11(-1.8,-2.375) 12(-1.4,-2.325) 13(-1,-2.325) 14(-0.6,-2.325) 15(-0.2,-2.325) 16(0.2,-2.325) 17(0.6,-2.325) 18(1,-2.325) 19(1.4,-2.325) 20(1.8,-2.375) 31(1.8,2.375) 32(1.4,2.325) 33(1,2.325) 34(0.6,2.325) 35(0.2,2.325) 36(-0.2,2.325) 37(-0.6,2.325) 38(-1,2.325) 39(-1.4,2.325) 40(-1.8,2.375)
  rect 3.4x3.4 smd mask+0.051: 41(0,0)
  silkscreen extent -3.14,-2.5 2.5,2.5, body extent -2.5,-2.5 2.5,2.5, height 0.73
SC-70 [mm] "Small outline 2.1mm L x 1.25mm W x 1mm H"
  round 0.5 on Mech15: 0(0,0)
  rrect50% 1x0.4 smd mask+0.051: 1(-1.05,0.65) 2(-1.05,0) 3(-1.05,-0.65) 4(1.05,-0.65) 5(1.05,0) 6(1.05,0.65)
  silkscreen extent -0.3,-0.85 0.3,0.85, body extent -1.05,-0.99 1.05,1.01, height 0.92
SC-85-3/SOT-323FL [mm]
  rect 0.52x0.83 smd mask+0.051: 1(-0.66,-0.711) 2(0.635,-0.711) 3(0,0.762)
  silkscreen extent -1.07,-1.03 1.07,0.72, body extent -1.11,-1.1 1.09,1.15, height 1.1
SJ-43515RS-SMT [mm] "CONN JACK 3.5MM"
  round 0 hole 1.7: 0(0,0) 0(7,0)
  rect 1x2.8 smd mask+0.051: 1(-3.375,-3.7)
  rect 2.8x2.8 smd mask+0.051: 2(8.3,-3.7)
  rect 2x2.6 smd mask+0.051: 3(0.8,3.7)
  rect 2.2x2.8 smd mask+0.051: 4(-1.1,-3.7)
  rect 2x2.2 smd mask+0.051: 6(-2,3.7)
  silkscreen extent -6,-3.7 11,3, body extent -6.22,-4.5 10.98,4.5, height 5.1
"SO-8 - DUAL MOS - NAMED" [mil] "body:5.3 X 7.6 mm( W x L) pitch:1.27 mm"
  rect 80x24 smd: D1(110,75) D1(110,25) D2(110,-25) D2(110,-75) G1(-110,25) G2(-110,-75) S1(-110,75) S2(-110,-25)
  silkscreen extent -50,-100 50,100, body extent -118,-96 118,96, height 63
SO-16 [mm]
  rect 0.8x1.75 smd mask+0.051: 1(-4.445,-3) 2(-3.175,-3) 3(-1.905,-3) 4(-0.635,-3) 5(0.635,-3) 6(1.905,-3) 7(3.175,-3) 8(4.445,-3) 9(4.445,3) 10(3.175,3) 11(1.905,3) 12(0.635,3) 13(-0.635,3) 14(-1.905,3) 15(-3.175,3) 16(-4.445,3)
  silkscreen extent -5,-2 5,2, body extent -5.09,-2.92 5.11,3.08
SOD523 [mm] "SOD-523F; 2 Leads; Body 1.3 x 0.9 mm, (LxW)"
  rect 0.4x0.6 smd mask+0.025: 1(0.7,0) 2(-0.7,0)
  silkscreen extent -0.82,-0.51 0.79,0.51, body extent -0.85,-0.45 0.85,0.45, height 0.7
"SOD523 - SZESD" [mm]
  rect 0.48x0.4 smd mask+0.051: 1(0.66,0) 2(-0.66,0)
  silkscreen extent -0.6,-0.4 0.6,0.4, body extent -0.85,-0.46 0.85,0.44, height 0.7
SOD-123 [mm]
  rect 0.91x1.22 smd mask+0.1: A(1.625,0) K(-1.625,0)
  silkscreen extent -1.42,-0.86 1.42,0.86, body extent -1.93,-0.84 1.92,0.86, height 1.42
SOD-323 [mm]
  rect 0.63x0.83 smd mask+0.051: A(1.115,0) K(-1.115,0)
  silkscreen extent -0.85,-0.63 0.85,0.63, body extent -1.3,-0.69 1.3,0.66, height 1.1
SOIC-14 [mm]
  rect 0.6x1.55 smd mask+0.051: 1(-3.81,-2.7) 2(-2.54,-2.7) 3(-1.27,-2.7) 4(0,-2.7) 5(1.27,-2.7) 6(2.54,-2.7) 7(3.81,-2.7) 8(3.81,2.7) 9(2.54,2.7) 10(1.27,2.7) 11(0,2.7) 12(-1.27,2.7) 13(-2.54,2.7) 14(-3.81,2.7)
  silkscreen extent -4.29,-2.83 4.33,3.17, body extent -4.33,-3 4.33,3, height 1.76
SOT23#1 [mm] "SOT-23; 3 Leads; Body 3.0 x 2.5 mm, inc. leads (LxW max)"
  rect 1.05x0.65 smd mask+0.051: 1(1.15,-0.95) 2(1.15,0.95) 3(-1.15,0)
  silkscreen extent -1.42,-1.68 0.3,1.68, body extent -1.23,-1.5 1.27,1.5, height 1.05
SOT23#2 [mm] "SOT-23; 3 Leads; Body 3.0 x 2.5 mm, inc. leads (LxW max)"
  rect 1x0.8 smd mask+0.051: 1(1.15,-0.95) 2(1.15,0.95) 3(-1.15,0)
  silkscreen extent -0.7,-1.5 0.4,1.5, body extent -1.23,-1.5 1.27,1.5, height 1.05
SOT-363 [mm]
  rect 0.4x0.8 smd mask+0.051: 1(-0.65,-0.837) 2(0,-0.837) 3(0.65,-0.837) 4(0.65,0.838) 5(0,0.838) 6(-0.65,0.838)
  silkscreen extent -1,-0.18 1,0.2, body extent -1,-1.05 1,1.05, height 1
TESTPOINT_15#1 [mil]
  round 35 smd mask+0: 1(0,0)
TESTPOINT_15#2 [mil]
  oval 10x35 smd mask+0: 1(0,0)
TESTPOINT_15#3 [mil]
  round 31.5 smd mask+0: 1(0,0)
TESTPOINT_15#4 [mil]
  oval 35x10 smd mask+0: 1(0,0)
TESTPOINT_15#5 [mil]
  oval 5x20 smd mask+0: 1(0,0)
TESTPOINT_15#6 [mil]
  oval 10x30 smd mask+0: 1(0,0)
TESTPOINT_15#7 [mil]
  oval 10x20 smd mask+0: 1(0,0)
TESTPOINT_15#8 [mil]
  round 15 smd mask+0: 1(0,0)
TESTPOINT_15#9 [mil]
  oval 25x10 smd mask+0: 1(0,0)
TESTPOINT_15#10 [mil]
  oval 30x10 smd mask+0: 1(0,0)
TESTPOINT_15#11 [mil]
  round 15.75 smd mask+0: 1(0,0)
testpoint_15#1 [mil]
  round 35 smd paste-39.37 mask+0: 1(0,0)
testpoint_15#2 [mil]
  oval 5x20 smd mask+0: 1(0,0)
testpoint_15#3 [mil]
  round 31.5 smd mask+0: 1(0,0)
TESTPOINT_35MIL [mil]
  round 35 smd: 1(0,0)
  silkscreen extent -25,-25 25,25
"USB TYPE A DUAL" [mm]
  round 1.65 hole 0.92: 1(0,0) 2(2.5,0) 3(4.5,0) 4(7,0) 5(0,-2.62) 6(2.5,-2.62) 7(4.5,-2.62) 8(7,-2.62)
  oval 3.2x3.45 hole 2.3 mask+0.076: 9(-3.07,0.35)
  round 3.5 hole 2.3: 10(-3.07,-5.33)
  oval 3.2x3.45 hole 2.3: 11(10.07,0.35)
  round 2.8 hole 2.3: 12(10.07,-5.33)
  silkscreen extent -3.72,-16.65 10.68,1.45, body extent -4.5,-16.56 11.49,1.76, height 16.8
UWR1A101MCL1GB [mm] "0.209\"\" L x 0.209\"\" W (5.30mm x 5.30mm) cap"
  rect 2.411x1.113 smd paste+0 mask+0: 1(-2.168,0) 2(1.914,0)
  silkscreen extent -4.21,-2.78 2.65,2.78, body extent -3.07,-2.65 2.82,2.65, height 5.57